# Altium PCB as14120_all перед разводкой ddr.PcbDoc (part 2 of 3) (continued)
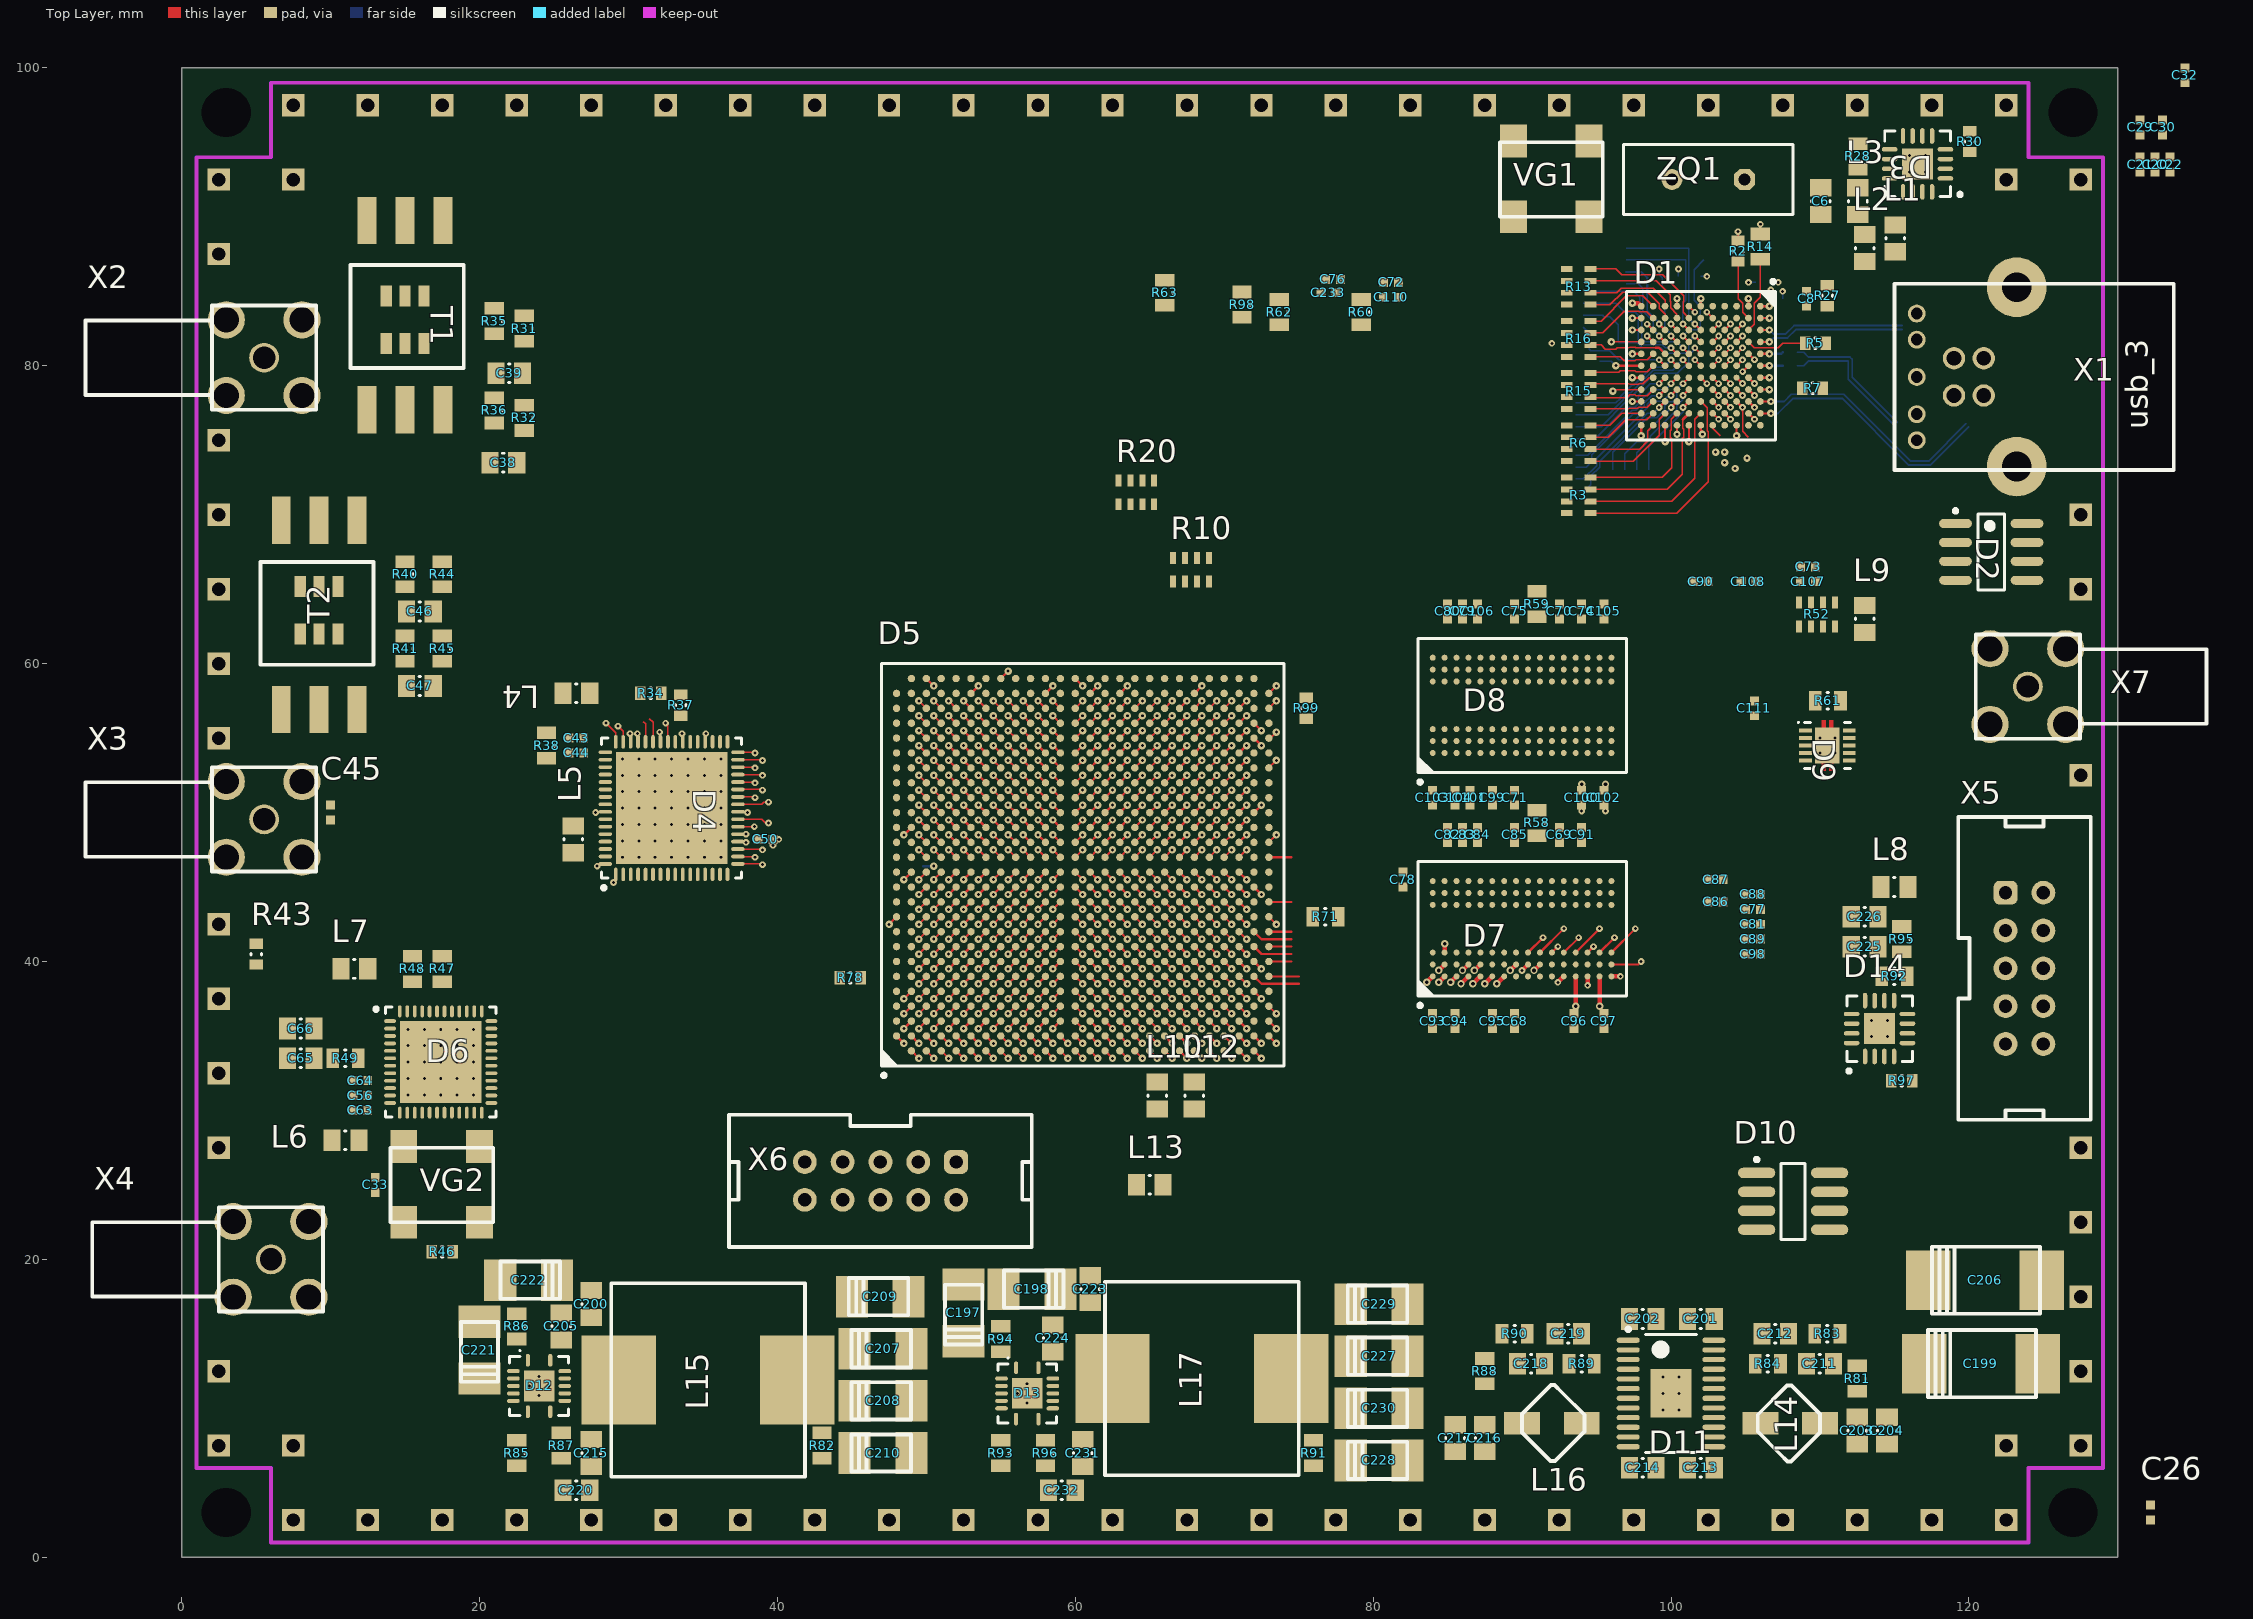
[diagram p0: Top Layer view]
## Nets (pads, with @x,y where several pads share a name; then routed paths per layer and width w, separated by ;. In a path a pad name is that pad's centre, name@x,y a point inside that pad or via, vN(x,y) a via of type N, cw(c..) or ccw(c..) an arc to the next point about the centre after c; other vN are vias at no path point) (continued)
  Top Layer w0.3: v3(84.4,38.6) D7.B1@84.8,39 ; D7.B3@84.8,40.634 v3(84.8,41.2) ; v3(85.9,38.5) D7.D1@86.3,38.9 ; v3(86.7,38.5) D7.E1@87.1,38.9 ; v3(86.8,39.4) D7.E2@87.2,39.8 ; v3(88.3,38.5) D7.G1@88.7,38.9 ; v2(90,39.4) D7.J2@90.4,39.8 ; v2(92.4,38.6) D7.M1@92.8,39 ; v2(94.4,38.4) D7.P1@94.4,39 ; D7.T1@96,39 v2(96.6,39) ; v1(97.4,84.2) 97.8,84.2 D1.L1@98,84
  Bottom Layer w0.1: R25.2@95.2,80.3 96,80.3 v1(96.3,80) ; C14.1@100.5,86 v2(100.5,86.5) ; C28.1@102,86 v2(102.4,86) ; C27.1@106.7,84.7 v2(106.7,85.1) ; C24.1@106.7,85.6 v2(107.2,85.6) ; C9.1@107.5,84.5 v2(107.5,85)
  Bottom Layer w0.15: C178.1@49.8,46.4 v1(50.5,46.4)
  other v1: 99.45,9.9 100.55,9.9 56.775,10.35 24,10.85 56.125,11 57.425,11 99.45,11 100.55,11 23.35,11.5 24.65,11.5 56.775,11.65 99.45,12.1 100.55,12.1 24,12.15 15.2,31.05 16.3,31.05 17.4,31.05 18.5,31.05 19.6,31.05 15.2,32.15 16.3,32.15 17.4,32.15 18.5,32.15 19.6,32.15 15.2,33.25 16.3,33.25 17.4,33.25 18.5,33.25 19.6,33.25 15.2,34.35 16.3,34.35 17.4,34.35 18.5,34.35 19.6,34.35 113.45,34.95 114.55,34.95 15.2,35.45 16.3,35.45 17.4,35.45 18.5,35.45 19.6,35.45 113.45,36.05 114.55,36.05 110,54 111,54 110,55 111,55 116,93 117.1,93 116,94.1 117.1,94.1
  other v2: 105.6,77.207 104,78 105.6,78.007 105.6,78.807 92,81.5 98.4,81.993 98.4,82.793 102.4,83.593
0VA: C41.2 C42.2 C48.1 C49.1 C52.1 C53.1 C54.1 D4.65 R33.1 R34.1 R39.2 R42.1 R43.2 T1.6 T2.6 X2.2 X3.2
  other v1: 29.6,47 30.7,47 31.8,47 32.9,47 34,47 35.1,47 36.2,47 29.6,48.1 30.7,48.1 31.8,48.1 32.9,48.1 34,48.1 35.1,48.1 36.2,48.1 29.6,49.2 30.7,49.2 31.8,49.2 32.9,49.2 34,49.2 35.1,49.2 36.2,49.2 29.6,50.3 30.7,50.3 31.8,50.3 32.9,50.3 34,50.3 35.1,50.3 36.2,50.3 29.6,51.4 30.7,51.4 31.8,51.4 32.9,51.4 34,51.4 35.1,51.4 36.2,51.4 29.6,52.5 30.7,52.5 31.8,52.5 32.9,52.5 34,52.5 35.1,52.5 36.2,52.5 29.6,53.6 30.7,53.6 31.8,53.6 32.9,53.6 34,53.6 35.1,53.6 36.2,53.6
12V: C197.1 C198.1 C199.1 C200.1 C206.1 C221.1 C222.1 C223.1 D12.4 D12.5 D12.6 D13.4 D13.5 D13.6 VD2.1
A_485: R66.2 X5.1
AD97_CS: D5.J7 D6.14 | length 0.7
  Top Layer w0.15: v1(55.5,39.5) D5.J7@56,40
AD9517_EXT_CLK: C67.2 D6.47 R50.1 R51.2 VD1.1
AD9517_FPGA_CLK: D5.F6 D6.48 VG2.3 | length 0.7
  Top Layer w0.15: v1(52.5,38.5) D5.F6@53,39
AD9517_REF_SEL: D5.C7 D6.6 | length 0.7
  Top Layer w0.15: v1(49.5,39.5) D5.C7@50,40
AD9517_REFMON: D5.D7 D6.1 | length 0.7
  Top Layer w0.15: v1(50.5,39.5) D5.D7@51,40
AD9517_SCLK: D5.H7 D6.13 | length 0.7
  Top Layer w0.15: v1(54.5,39.5) D5.H7@55,40
AD9517_SDIO: D5.L7 D6.16 | length 0.7
  Top Layer w0.15: v1(57.5,39.5) D5.L7@58,40
AD9517_SDO: D5.K6 D6.15 | length 0.7
  Top Layer w0.15: v1(56.5,38.5) D5.K6@57,39
AD9517_STATUS: D5.G6 D6.5 | length 0.7
  Top Layer w0.15: v1(53.5,38.5) D5.G6@54,39
ADC_CLK_N: C44.1 D6.34 R38.1
ADC_CLK_P: C43.1 D6.35 R38.2
ADC_CML: C40.1 C55.1 D4.41 T1.2 T2.2 | length 1.3
  Top Layer w0.1: v2(32.5,56) 32.65,55.85 D4.41@32.65,54.75
ADC_CSB: D4.51 D5.A23
ADC_D0_N: D4.62 D5.J16 | length 0.7
  Top Layer w0.15: v1(55.5,49.5) D5.J16@56,49
ADC_D0_P: D4.63 D5.H15 | length 0.7
  Top Layer w0.15: v1(54.5,48.5) D5.H15@55,48
ADC_D1_N: D4.2 D5.L11 | length 0.7
  Top Layer w0.15: v1(57.5,43.5) D5.L11@58,44
ADC_D1_P: D4.3 D5.M11 | length 0.7
  Top Layer w0.15: v1(58.5,43.5) D5.M11@59,44
ADC_D2_N: D4.4 D5.K11 | length 0.7
  Top Layer w0.15: v1(56.5,43.5) D5.K11@57,44
ADC_D2_P: D4.5 D5.L12 | length 0.7
  Top Layer w0.15: v1(57.5,44.5) D5.L12@58,45
ADC_D3_N: D4.6 D5.M12 | length 0.7
  Top Layer w0.15: v1(58.5,44.5) D5.M12@59,45
ADC_D3_P: D4.7 D5.N12 | length 0.7
  Top Layer w0.15: D5.N12@60,45 v1(60.5,44.5)
ADC_D4_N: D4.8 D5.F12 | length 0.7
  Top Layer w0.15: v1(52.5,44.5) D5.F12@53,45
ADC_D4_P: D4.9 D5.G12 | length 0.7
  Top Layer w0.15: v1(53.5,44.5) D5.G12@54,45
ADC_D5_N: D4.12 D5.D13 | length 0.7
  Top Layer w0.15: v1(50.5,45.5) D5.D13@51,46
ADC_D5_P: D4.13 D5.E13 | length 0.7
  Top Layer w0.15: v1(51.5,45.5) D5.E13@52,46
ADC_D6_N: D4.14 D5.E15 | length 0.7
  Top Layer w0.15: v1(51.5,48.5) D5.E15@52,48
ADC_D6_P: D4.15 D5.F16 | length 0.7
  Top Layer w0.15: v1(52.5,49.5) D5.F16@53,49
ADC_D7_N: D4.16 D5.D15 | length 0.7
  Top Layer w0.15: v1(50.5,48.5) D5.D15@51,48
ADC_D7_P: D4.17 D5.C14 | length 2.4
  Top Layer w0.1: D4.17@37.35,46.55 38.95,46.55 v2(39,46.5)
  Top Layer w0.15: v1(49.5,47.5) D5.C14@50,47
ADC_D8_N: D4.18 D5.D16 | length 1.9
  Top Layer w0.1: D4.18@37.35,47.05 38.45,47.05 v2(38.5,47)
  Top Layer w0.15: v1(50.5,49.5) D5.D16@51,49
ADC_D8_P: D4.19 D5.E16 | length 2.4
  Top Layer w0.1: D4.19@37.35,47.55 38.95,47.55 v2(39,47.5)
  Top Layer w0.15: v1(51.5,49.5) D5.E16@52,49
ADC_D9_N: D4.22 D5.F18 | length 1.8
  Top Layer w0.1: D4.22@37.35,49.05 v2(38.45,49.05)
  Top Layer w0.15: v1(52.5,51.5) D5.F18@53,51
ADC_D9_P: D4.23 D5.E18 | length 2.7
  Top Layer w0.1: D4.23@37.35,49.55 38.95,49.55 v2@39.2,49.3
  Top Layer w0.15: v1(51.5,51.5) D5.E18@52,51
  other v2: 39.4,49.3
ADC_D10_N: D4.25 D5.D17 | length 2.9
  Top Layer w0.1: D4.25@37.35,50.55 38.95,50.55 39.1,50.7 v2(39.4,50.7) v2@39.4,50.6
  Top Layer w0.15: v1(50.5,50.5) D5.D17@51,50
ADC_D10_P: D4.26 D5.D18 | length 1.9
  Top Layer w0.1: D4.26@37.35,51.05 38.45,51.05 v2(38.5,51)
  Top Layer w0.15: v1(50.5,51.5) D5.D18@51,51
ADC_D11_N: D4.27 D5.E19 | length 2.4
  Top Layer w0.1: D4.27@37.35,51.55 38.95,51.55 v2(39,51.5)
  Top Layer w0.15: v1(51.5,52.5) D5.E19@52,52
ADC_D11_P: D4.28 D5.E20 | length 1.9
  Top Layer w0.1: D4.28@37.35,52.05 38.45,52.05 v2(38.5,52)
  Top Layer w0.15: v1(51.5,53.5) D5.E20@52,53
ADC_D12_N: D4.29 D5.H17 | length 2.4
  Top Layer w0.1: D4.29@37.35,52.55 38.95,52.55 v2(39,52.5)
  Top Layer w0.15: v1(54.5,50.5) D5.H17@55,50
ADC_D12_P: D4.30 D5.H18 | length 1.9
  Top Layer w0.1: D4.30@37.35,53.05 38.45,53.05 v2(38.5,53)
  Top Layer w0.15: v1(54.5,51.5) D5.H18@55,51
ADC_D13_N: D4.31 D5.A24 | length 1.7
  Top Layer w0.1: D4.31@37.35,53.55 38.95,53.55 v2(39,53.5)
ADC_D13_P: D4.32 D5.B24 | length 1.2
  Top Layer w0.1: D4.32@37.35,54.05 38.45,54.05 v2(38.5,54)
ADC_DCO_N: D4.10 D5.G14 | length 0.7
  Top Layer w0.15: v1(53.5,47.5) D5.G14@54,47
ADC_DCO_P: D4.11 D5.G15 | length 0.7
  Top Layer w0.15: v1(53.5,48.5) D5.G15@54,48
ADC_SCLK: D4.48 D5.C23 | length 2.2
  Top Layer w0.1: v2(28.5,56) 29.15,55.35 D4.48@29.15,54.75
  Top Layer w0.15: v1(49.5,56.5) D5.C23@50,56
ADC_SDIO: D4.47 D5.C22 | length 1.9
  Top Layer w0.1: v2(29.3,55.8) 29.65,55.45 D4.47@29.65,54.75
  Top Layer w0.15: v1(49.5,55.5) D5.C22@50,55
ADC_SYNC: D4.52 D5.A22
AVDD: C12.2 C23.2 D1.A7 L3.2 | length 0.6
  Top Layer w0.15: D1.A7@106,79.2 v1(106.6,79.2)
B_485: R68.2 X5.3
C_DQ0: D1.F10 R3.6 | length 12.2
  Top Layer w0.1: R3.6@94.6,70.9 100.063,70.9 101.6,72.437 101.6,76.4 D1.F10@102,76.8
C_DQ1: D1.F9 R3.5 | length 14.4
  Top Layer w0.1: R3.5@94.6,70.1 100.394,70.1 102.5,72.206 102.5,75.566 102.425,75.641 102.425,77.175 D1.F9@102,77.6
C_DQ2: D1.F7 | length 0.6
  Top Layer w0.15: D1.F7@102.007,79.2 v2@102.407,78.8
  other v2: 102.4,78.8
C_DQ3: D1.G10 R3.7 | length 10.9
  Top Layer w0.1: R3.7@94.6,71.7 99.731,71.7 100.759,72.727 100.759,75.122 100.85,75.214 100.85,75.736 100.8,75.786 100.8,76.4
  Top Layer w0.2: 100.8,76.4 D1.G10@101.2,76.8
C_DQ4: D1.G9 R17.8 | length 5.7
  Top Layer w0.15: v2@100.8,77.2 D1.G9@101.2,77.6
  Bottom Layer w0.1: R17.8@98.5,73 98.5,74.6 100.807,76.907 v2(100.807,77.2)
C_DQ5: D1.F8
C_DQ6: D1.H10 R3.8 | length 9.6
  Top Layer w0.1: R3.8@94.6,72.5 99.4,72.5 100.05,73.15 100.05,75.114 99.95,75.214 99.95,75.636 100,75.686 100,76.4 D1.H10@100.4,76.8
C_DQ7: D1.H9 R17.6 | length 6.3
  Top Layer w0.15: v2@100,77.2 D1.H9@100.4,77.6
  Bottom Layer w0.1: R17.6@96.9,73 96.9,74.1 97.7,74.9 98.166,74.9 98.4,75.134 98.4,75.58 100.007,77.187 v2(100.007,77.2)
C_DQ8: D1.J10 R6.5 | length 6.9
  Top Layer w0.1: R6.5@94.6,73.6 97.454,73.6 99.2,75.346 99.2,76.4 D1.J10@99.6,76.8
C_DQ9: D1.J9 R9.8 | length 9.1
  Top Layer w0.15: v2@99.2,77.2 D1.J9@99.6,77.6
  Bottom Layer w0.1: R9.8@93.6,71.6 94.2,71.6 94.6,72 94.6,72.6 95.2,73.2 95.2,73.6 98.4,76.8 98.807,76.8 v2(99.207,77.2)
C_DQ10: D1.K11 R6.6 | length 5.3
  Top Layer w0.1: R6.6@94.6,74.4 97.9,74.4 98.45,74.95 98.45,75.65 D1.K11@98.8,76
C_DQ11: D1.L10 R6.8 | length 3.7
  Top Layer w0.1: R6.8@94.6,76 95.9,76 96.7,76.8 D1.L10@98,76.8
C_DQ12: D1.K10 R6.7 | length 4.9
  Top Layer w0.1: R6.7@94.6,75.2 95.8,75.2 96.975,76.375 98.375,76.375 D1.K10@98.8,76.8
C_DQ13: D1.K9 R15.5 | length 4.5
  Top Layer w0.1: R15.5@94.6,77 R15.5@94.6,77.1 97.164,77.1 97.214,77.15 97.75,77.15 97.8,77.2 98.4,77.2 D1.K9@98.8,77.6
C_DQ14: D1.J8 R9.6 | length 8.5
  Top Layer w0.15: v2@99.193,78 D1.J8@99.593,78.4
  Bottom Layer w0.1: R9.6@93.6,73.2 94.3,73.2 94.691,73.591 94.691,74.009 97.441,76.759 97.69,76.759 98.2,77.269 98.2,77.5 98.7,78 v2(99.2,78)
C_DQ15: D1.G8 R17.7 | length 6.8
  Top Layer w0.15: v2@100.793,78 D1.G8@101.193,78.4
  Bottom Layer w0.1: R17.7@97.7,73 97.7,74.151 98.6,75.051 98.6,75.263 100.382,77.045 100.382,77.305 100.8,77.724 v2(100.8,78)
C_DQ16: D1.K2 R16.7 | length 5
  Top Layer w0.1: R16.7@94.6,82.2 95.4,82.2 96.85,83.65 97.82,83.65 97.845,83.625 98.375,83.625 D1.K2@98.8,83.2
C_DQ17: D1.J4 R19.8 | length 5.4
  Top Layer w0.15: v2@99.193,82 D1.J4@99.593,81.6
  Bottom Layer w0.1: R19.8@97,85.5 97.8,85.5 98.1,85.2 98.1,83.703 98.803,83 98.803,82.397 v2(99.2,82)
C_DQ18: D1.K1 R16.8 | length 5.2
  Top Layer w0.1: R16.8@94.6,83 95.3,83 97,84.7 98.1,84.7 D1.K1@98.8,84
C_DQ19: D1.J2 R13.5 | length 6.4
  Top Layer w0.1: R13.5@94.6,84.1 95.9,84.1 96.75,84.95 98.45,84.95 99.225,84.175 99.225,83.845 99.6,83.47 D1.J2@99.6,83.2
C_DQ20: D1.J3 R19.7 | length 5.6
  Top Layer w0.15: v2@99.193,82.8 D1.J3@99.593,82.4
  Bottom Layer w0.1: 98.4,84.8 98.4,83.7 99.2,82.9 v2(99.2,82.8)
  Bottom Layer w0.15: R19.7@97,86.3 98,86.3 98.4,85.9 98.4,84.8
C_DQ21: D1.J1 R13.6 | length 5.9
  Top Layer w0.1: R13.6@94.6,84.9 96.346,84.9 96.646,85.2 98.8,85.2 99.6,84.4 D1.J1@99.6,84
C_DQ22: D1.H2 R13.7 | length 7.5
  Top Layer w0.1: R13.7@94.6,85.7 99,85.7 99.95,84.75 99.95,84.314 99.982,84.282 99.982,83.888 100.4,83.47 D1.H2@100.4,83.2
C_DQ24: D1.F4 R8.7 | length 10.6
  Top Layer w0.15: v2@101.593,82 D1.F4@101.993,81.6
  Bottom Layer w0.1: R8.7@94.1,83.4 95.4,83.4 95.5,83.3 95.9,83.3 96.45,82.75 96.45,81.638 96.538,81.55 97.747,81.55 98.079,81.218 99.317,81.218 99.711,80.825 100.955,80.825 101.175,81.045 101.175,81.575 v2(101.6,82)
C_DQ25: D1.G2 R13.8 | length 8.7
  Top Layer w0.1: R13.8@94.6,86.5 96.3,86.5 96.7,86.1 99.436,86.1 100.85,84.686 100.85,84.314 100.825,84.289 100.825,83.575 D1.G2@101.2,83.2
C_DQ26: D1.G3 R19.6 | length 8.9
  Top Layer w0.15: v2@100.793,82.8 D1.G3@101.193,82.4
  Bottom Layer w0.1: R19.6@97,87.1 101,87.1 101,84.4 100.8,84.2 v2(100.8,82.8)
C_DQ27: D1.F3 R19.5 | length 10
  Top Layer w0.15: v2@101.593,82.8 D1.F3@101.993,82.4
  Bottom Layer w0.1: R19.5@97,87.9 101.2,87.9 101.2,83.2 v2(101.6,82.8)
C_DQ28: D1.F5 R18.7 | length 11.2
  Top Layer w0.15: v2@101.593,81.2 D1.F5@101.993,80.8
  Bottom Layer w0.1: R18.7@93.6,75.9 95.3,75.9 97,77.6 97,77.766 97.234,78 97.4,78 98.9,79.5 100.43,79.5 101.175,80.245 101.175,80.687 101.6,81.112 v2(101.6,81.2)
C_DQ29: D1.E1
C_DQ30: D1.E5 | length 0.6
  Top Layer w0.15: D1.E5@102.807,80.8 v2@103.207,81.2
  other v2: 103.2,81.2
C_DQ31: D1.E4 | length 0.6
  Top Layer w0.15: D1.E4@102.807,81.6 v2@103.207,82
  other v2: 103.2,82
CTRL0: D1.K8 R15.6 | length 4.5
  Top Layer w0.1: R15.6@94.6,77.9 94.65,77.85 97.014,77.85 97.214,78.05 97.586,78.05 97.636,78 98.4,78 D1.K8@98.8,78.4
CTRL1: D1.K7 R15.7 | length 4.4
  Top Layer w0.1: R15.7@94.6,78.7 94.7,78.8 97.164,78.8 97.214,78.75 97.82,78.75 97.845,78.775 98.105,78.775 98.53,79.2 D1.K7@98.8,79.2
CTRL2: D1.J7 R18.8 | length 8
  Top Layer w0.15: v2@99.193,78.8 D1.J7@99.593,79.2
  Bottom Layer w0.1: R18.8@93.6,75.1 94.9,75.1 97,77.2 97.566,77.2 97.8,77.434 97.8,78 98.6,78.8 v2(99.2,78.8)
CTRL3: D1.H7 R9.5 | length 9.2
  Top Layer w0.15: v2@99.993,78.8 D1.H7@100.393,79.2
  Bottom Layer w0.1: R9.5@93.6,74 94.4,74 97.4,77 97.649,77 98,77.351 98,77.7 98.7,78.4 99.6,78.4 v2(100,78.8)
CTRL4: D1.G7 R17.5 | length 8.8
  Top Layer w0.15: v2@100.793,78.8 D1.G7@101.193,79.2
  Bottom Layer w0.1: R17.5@96.1,73 96.1,74.2 98.4,76.5 99.037,76.5 99.582,77.045 99.582,77.305 99.851,77.575 100.105,77.575 100.375,77.845 100.375,78.375 v2(100.8,78.8)
CTRL5: D1.G6 R18.6 | length 9.4
  Top Layer w0.15: v2@100.793,80.4 D1.G6@101.193,80
  Bottom Layer w0.1: R18.6@93.6,76.7 95.795,76.7 96.8,77.705 96.8,77.849 97.151,78.2 97.295,78.2 98.795,79.7 100.1,79.7 v2(100.8,80.4)
CTRL6: D1.K6 R15.8 | length 4.4
  Top Layer w0.1: R15.8@94.6,79.5 94.65,79.55 96.486,79.55 96.586,79.65 97.586,79.65 97.636,79.6 98.4,79.6 D1.K6@98.8,80
CTRL7: D1.H8 R9.7 | length 9.7
  Top Layer w0.15: v2@99.993,78 D1.H8@100.393,78.4
  Bottom Layer w0.1: R9.7@93.6,72.4 94.1,72.4 95,73.3 95,73.8 95.014,73.8 98.4,77.186 98.4,77.4 98.6,77.6 99.4,77.6 99.8,78 v2(100,78)
CTRL8: D1.G5 R8.5 | length 10.4
  Top Layer w0.15: v2@100.793,81.2 D1.G5@101.193,80.8
  Bottom Layer w0.1: R8.5@94.1,85 97.5,85 97.9,84.6 97.9,83.62 98.025,83.495 98.025,81.838 98.245,81.618 100.382,81.618 v2(100.8,81.2)
CTRL9: D1.H6 R18.5 | length 8.2
  Top Layer w0.15: v2@99.993,80.4 D1.H6@100.393,80
  Bottom Layer w0.1: R18.5@93.6,77.5 96.3,77.5 96.6,77.8 96.6,77.931 97.369,78.7 97.5,78.7 98.7,79.9 99.5,79.9 v2(100,80.4)
CTRL10: D1.K5 R16.5 | length 4.5
  Top Layer w0.1: R16.5@94.6,80.6 96.6,80.6 96.85,80.35 97.586,80.35 97.636,80.4 98.4,80.4 D1.K5@98.8,80.8
CTRL11: D1.J5 R16.6 | length 5.4
  Top Layer w0.1: R16.6@94.6,81.4 95.3,81.4 95.6,81.1 96.3,81.1 96.4,81.2 97.164,81.2 97.214,81.25 97.586,81.25 97.636,81.2 98.966,81.2
  Top Layer w0.15: 98.966,81.2 99.193,81.2 D1.J5@99.593,80.8
CTRL12: D1.H5 R8.6 | length 8.7
  Top Layer w0.15: v2@99.993,81.2 D1.H5@100.393,80.8
  Bottom Layer w0.1: R8.6@94.1,84.2 96.3,84.2 96.9,83.6 97.6,83.6 97.8,83.4 97.8,81.78 98.162,81.418 99.4,81.418 99.618,81.2 v2(100,81.2)
CY_CTRL0: D5.U24 | length 0.7
  Top Layer w0.15: D5.U24@64,57 v1(64.5,57.5)
CY_CTRL1: D5.V25
CY_CTRL2: D5.R20 | length 0.7
  Top Layer w0.15: D5.R20@62,53 v1(62.5,53.5)
CY_CTRL3: D5.P20 | length 0.7
  Top Layer w0.15: D5.P20@61,53 v1(61.5,53.5)
CY_CTRL4: D5.AB26
CY_CTRL5: D5.AA26
CY_CTRL6: D5.T26
CY_CTRL7: D5.V23 | length 0.7
  Top Layer w0.15: D5.V23@65,56 v1(65.5,56.5)
CY_CTRL8: D5.V24 | length 0.7
  Top Layer w0.15: D5.V24@65,57 v1(65.5,57.5)
CY_CTRL9: D5.T23 | length 0.7
  Top Layer w0.15: D5.T23@63,56 v1(63.5,56.5)
CY_CTRL10: D5.T24 | length 0.7
  Top Layer w0.15: D5.T24@63,57 v1(63.5,57.5)
CY_CTRL11: D5.AA24 | length 0.7
  Top Layer w0.15: D5.AA24@68,57 v1(68.5,57.5)
CY_CTRL12: D5.AB25
CY_DQ0: D5.U19 | length 0.7
  Top Layer w0.15: D5.U19@64,52 v1(64.5,52.5)
CY_DQ1: D5.V20 | length 0.7
  Top Layer w0.15: D5.V20@65,53 v1(65.5,53.5)
CY_DQ2: D5.AA22 | length 0.7
  Top Layer w0.15: D5.AA22@68,55 v1(68.5,55.5)
CY_DQ3: D5.AA23 | length 0.7
  Top Layer w0.15: D5.AA23@68,56 v1(68.5,56.5)
CY_DQ4: D5.W20 | length 0.7
  Top Layer w0.15: D5.W20@66,53 v1(66.5,53.5)
CY_DQ5: D5.W21 | length 0.7
  Top Layer w0.15: D5.W21@66,54 v1(66.5,54.5)
CY_DQ6: D5.AC24 | length 0.7
  Top Layer w0.15: D5.AC24@70,57 v1(70.5,57.5)
CY_DQ7: D5.AB24 | length 0.7
  Top Layer w0.15: D5.AB24@69,57 v1(69.5,57.5)
CY_DQ8: D5.Y26
CY_DQ9: D5.P21 | length 0.7
  Top Layer w0.15: D5.P21@61,54 v1(61.5,54.5)
CY_DQ10: D5.P22 | length 0.7
  Top Layer w0.15: D5.P22@61,55 v1(61.5,55.5)
CY_DQ11: D5.W25
CY_DQ12: D5.W26
CY_DQ13: D5.N25
CY_DQ14: D5.P26
CY_DQ15: D5.U25
CY_DQ16: D5.M21 | length 0.7
  Top Layer w0.15: v1(58.5,54.5) D5.M21@59,54
CY_DQ17: D5.J25
CY_DQ18: D5.J26
CY_DQ19: D5.N24 | length 0.7
  Top Layer w0.15: D5.N24@60,57 v1(60.5,57.5)
CY_DQ20: D5.M24 | length 0.7
  Top Layer w0.15: v1(58.5,57.5) D5.M24@59,57
CY_DQ21: D5.F26
CY_DQ22: D5.G26
CY_DQ23: D5.N23 | length 0.7
  Top Layer w0.15: D5.N23@60,56 v1(60.5,56.5)
CY_DQ24: D5.E26
CY_DQ25: D5.K25
CY_DQ26: D5.K26
CY_DQ27: D5.E24 | length 0.7
  Top Layer w0.15: v1(51.5,57.5) D5.E24@52,57
CY_DQ28: D5.E25
CY_DQ29: D5.K24 | length 0.7
  Top Layer w0.15: v1(56.5,57.5) D5.K24@57,57
CY_DQ30: D5.K23 | length 0.7
  Top Layer w0.15: v1(56.5,56.5) D5.K23@57,56
CY_DQ31: D5.F24 | length 0.7
  Top Layer w0.15: v1(52.5,57.5) D5.F24@53,57
CY_G: D1.D7 VG1.3 | length 0.6
  Top Layer w0.15: D1.D7@103.607,79.2 v2@104.007,78.8
  other v2: 104,78.8
CY_PCLK: D5.R25
CY_SCL: D1.D9 D2.6 R21.1 | length 0.6
  Top Layer w0.15: D1.D9@103.6,77.6 v2@104,77.2
  other v2: 104,77.207
CY_SDA: D1.D10 D2.5 R22.1 | length 0.6
  Top Layer w0.15: D1.D10@103.6,76.8 v2@104,76.4
  other v2: 104,76.407
DDR_A0: D5.AE6 D7.N3 D8.N3 R55.6 | length 5.5
  Top Layer w0.15: D5.AE6@72,39 72.5,38.5 75,38.5 ; D7.N3@93.6,40.6 v2(95.2,42.2)
DDR_A1: D5.AF6 D7.P7 D8.P7 R53.5 | length 2
  Top Layer w0.15: D5.AF6@73,39 75,39
DDR_A2: D5.AF7 D7.P3 D8.P3 R56.5 | length 2.1
  Top Layer w0.15: D5.AF7@73,40 74.5,40 ; D7.P3@94.4,40.6 v2(94.8,41)
DDR_A3: D5.AF8 D7.N2 D8.N2 R55.5 | length 1.5
  Top Layer w0.15: D5.AF8@73,41 74.5,41
DDR_A4: D5.U10 D7.P8 D8.P8 R53.6 | length 0.7
  Top Layer w0.15: D5.U10@64,43 v1(64.5,42.5)
DDR_A5: D5.U11 D7.P2 D8.P2 R55.8 | length 0.7
  Top Layer w0.15: D5.U11@64,44 v1(64.5,43.5)
DDR_A6: D5.AE9 D7.R8 D8.R8 R54.7 | length 2.7
  Top Layer w0.15: D5.AE9@72,42 72.5,41.5 74.5,41.5
DDR_A7: D5.AF9 D7.R2 D8.R2 R56.6 | length 1.5
  Top Layer w0.15: D5.AF9@73,42 74.5,42
DDR_A8: D5.AB12 D7.T8 D8.T8 R54.8 | length 0.7
  Top Layer w0.15: D5.AB12@69,45 v1(69.5,44.5)
DDR_A9: D5.AB11 D7.R3 D8.R3 R56.7 | length 2.1
  Top Layer w0.15: D5.AB11@69,44 v1(69.5,43.5) ; D7.R3@95.2,40.6 v2(96.2,41.6)
DDR_A10: D5.AC9 D7.L7 D8.L7 | length 0.7
  Top Layer w0.15: D5.AC9@70,42 v1(70.5,41.5)
DDR_A11: D5.AC8 D7.R7 D8.R7 R54.5 | length 0.7
  Top Layer w0.15: D5.AC8@70,41 v1(70.5,40.5)
DDR_A12: D5.AB10 D7.N7 D8.N7 R53.7 | length 0.7
  Top Layer w0.15: D5.AB10@69,43 v1(69.5,42.5)
DDR_A13: D5.AC10 D7.T3 D8.T3 R56.8 | length 3
  Top Layer w0.15: D5.AC10@70,43 v1(70.5,42.5) ; D7.T3@96,40.6 v2(97.6,42.2)
DDR_A14: D5.W11 D7.T7 D8.T7 R54.6 | length 0.7
  Top Layer w0.15: D5.W11@66,44 v1(66.5,43.5)
DDR_BA0: D5.V10 D7.M2 D8.M2 | length 0.7
  Top Layer w0.15: D5.V10@65,43 v1(65.5,42.5)
DDR_BA1: D5.AD8 D7.N8 D8.N8 | length 0.7
  Top Layer w0.15: D5.AD8@71,41 v1(71.5,40.5)
DDR_BA2: D5.AE8 D7.M3 D8.M3 R55.7 | length 4.1
  Top Layer w0.15: D5.AE8@72,41 72.5,40.5 74.5,40.5 ; D7.M3@92.8,40.6 v2(93.8,41.6)
DDR_CAS: D5.W10 D7.K3 D8.K3 | length 3
  Top Layer w0.15: D5.W10@66,43 v1(66.5,42.5) ; D7.K3@91.2,40.6 v2(92.8,42.2)
DDR_CK_N: D5.P10 D7.K7 D8.K7 R60.1 | length 0.7
  Top Layer w0.15: D5.P10@61,43 v1(61.5,42.5)
DDR_CK_P: D5.N10 D7.J7 D8.J7 R98.2 | length 0.7
  Top Layer w0.15: D5.N10@60,43 v1(60.5,42.5)
DDR_CKE: D5.AF14 D7.K9 D8.K9 R62.2 | length 1.5
  Top Layer w0.15: D5.AF14@73,47 74.5,47
DDR_CS: D5.R11 D7.L2 D8.L2 | length 0.7
  Top Layer w0.15: D5.R11@62,44 v1(62.5,43.5)
DDR_DM0: D5.AF11 D7.E7 | length 1.5
  Top Layer w0.15: D5.AF11@73,44 74.5,44
DDR_DM1: D5.AE18 D7.D3
DDR_DM2: D5.AE20 D8.E7
DDR_DM3: D5.AE24 D8.D3
DDR_DQ0: D5.AA14 D7.E3 | length 0.7
  Top Layer w0.15: D5.AA14@68,47 v1(68.5,47.5)
DDR_DQ1: D5.Y14 D7.F7 | length 0.7
  Top Layer w0.15: D5.Y14@67,47 v1(67.5,47.5)
DDR_DQ2: D5.AD11 D7.F2 | length 0.7
  Top Layer w0.15: D5.AD11@71,44 v1(71.5,43.5)
DDR_DQ3: D5.AD12 D7.F8 | length 0.7
  Top Layer w0.15: D5.AD12@71,45 v1(71.5,44.5)
DDR_DQ4: D5.Y13 D7.H3 | length 0.7
  Top Layer w0.15: D5.Y13@67,46 v1(67.5,45.5)
DDR_DQ5: D5.W12 D7.H8 | length 0.7
  Top Layer w0.15: D5.W12@66,45 v1(66.5,44.5)
DDR_DQ6: D5.AD10 D7.G2 | length 0.7
  Top Layer w0.15: D5.AD10@71,43 v1(71.5,42.5)
DDR_DQ7: D5.AF12 D7.H7
DDR_DQ8: D5.AC15 D7.D7 | length 0.7
  Top Layer w0.15: D5.AC15@70,48 v1(70.5,48.5)
DDR_DQ9: D5.AB15 D7.C3 | length 0.7
  Top Layer w0.15: D5.AB15@69,48 v1(69.5,48.5)
DDR_DQ10: D5.AC14 D7.C8 | length 0.7
  Top Layer w0.15: D5.AC14@70,47 v1(70.5,47.5)
DDR_DQ11: D5.AF13 D7.C2
DDR_DQ12: D5.AB16 D7.A7 | length 0.7
  Top Layer w0.15: D5.AB16@69,49 v1(69.5,49.5)
DDR_DQ13: D5.AA16 D7.A2 | length 0.7
  Top Layer w0.15: D5.AA16@68,49 v1(68.5,49.5)
DDR_DQ14: D5.AE14 D7.B8
DDR_DQ15: D5.AF18 D7.A3
DDR_DQ16: D5.AD16 D8.E3 | length 0.7
  Top Layer w0.15: D5.AD16@71,49 v1(71.5,49.5)
DDR_DQ17: D5.AD17 D8.F7 | length 0.7
  Top Layer w0.15: D5.AD17@71,50 v1(71.5,50.5)
DDR_DQ18: D5.AC18 D8.F2 | length 0.7
  Top Layer w0.15: D5.AC18@70,51 v1(70.5,51.5)
DDR_DQ19: D5.AF19 D8.F8
DDR_DQ20: D5.AC17 D8.H3 | length 0.7
  Top Layer w0.15: D5.AC17@70,50 v1(70.5,50.5)
DDR_DQ21: D5.AB17 D8.H8 | length 0.7
  Top Layer w0.15: D5.AB17@69,50 v1(69.5,50.5)
DDR_DQ22: D5.AF21 D8.G2
DDR_DQ23: D5.AE21 D8.H7
DDR_DQ24: D5.AE15 D8.D7
DDR_DQ25: D5.AE16 D8.C3
DDR_DQ26: D5.AC20 D8.C8 | length 0.7
  Top Layer w0.15: D5.AC20@70,53 v1(70.5,53.5)
DDR_DQ27: D5.AD21 D8.C2 | length 0.7
  Top Layer w0.15: D5.AD21@71,54 v1(71.5,54.5)
DDR_DQ28: D5.AF16 D8.A7
DDR_DQ29: D5.AF17 D8.A2
DDR_DQ30: D5.AD23 D8.B8 | length 0.7
  Top Layer w0.15: D5.AD23@71,56 v1(71.5,56.5)
DDR_DQ31: D5.AF23 D8.A3
DDR_DQS0_N: D5.W13 D7.G3 | length 0.7
  Top Layer w0.15: D5.W13@66,46 v1(66.5,45.5)
DDR_DQS0_P: D5.V13 D7.F3 | length 0.7
  Top Layer w0.15: D5.V13@65,46 v1(65.5,45.5)
DDR_DQS1_N: D5.V14 D7.B7 | length 0.7
  Top Layer w0.15: D5.V14@65,47 v1(65.5,47.5)
DDR_DQS1_P: D5.U14 D7.C7 | length 0.7
  Top Layer w0.15: D5.U14@64,47 v1(64.5,47.5)
DDR_DQS2_N: D5.W15 D8.G3 | length 0.7
  Top Layer w0.15: D5.W15@66,48 v1(66.5,48.5)